# KiCad board st251n_20603.kicad_pcb
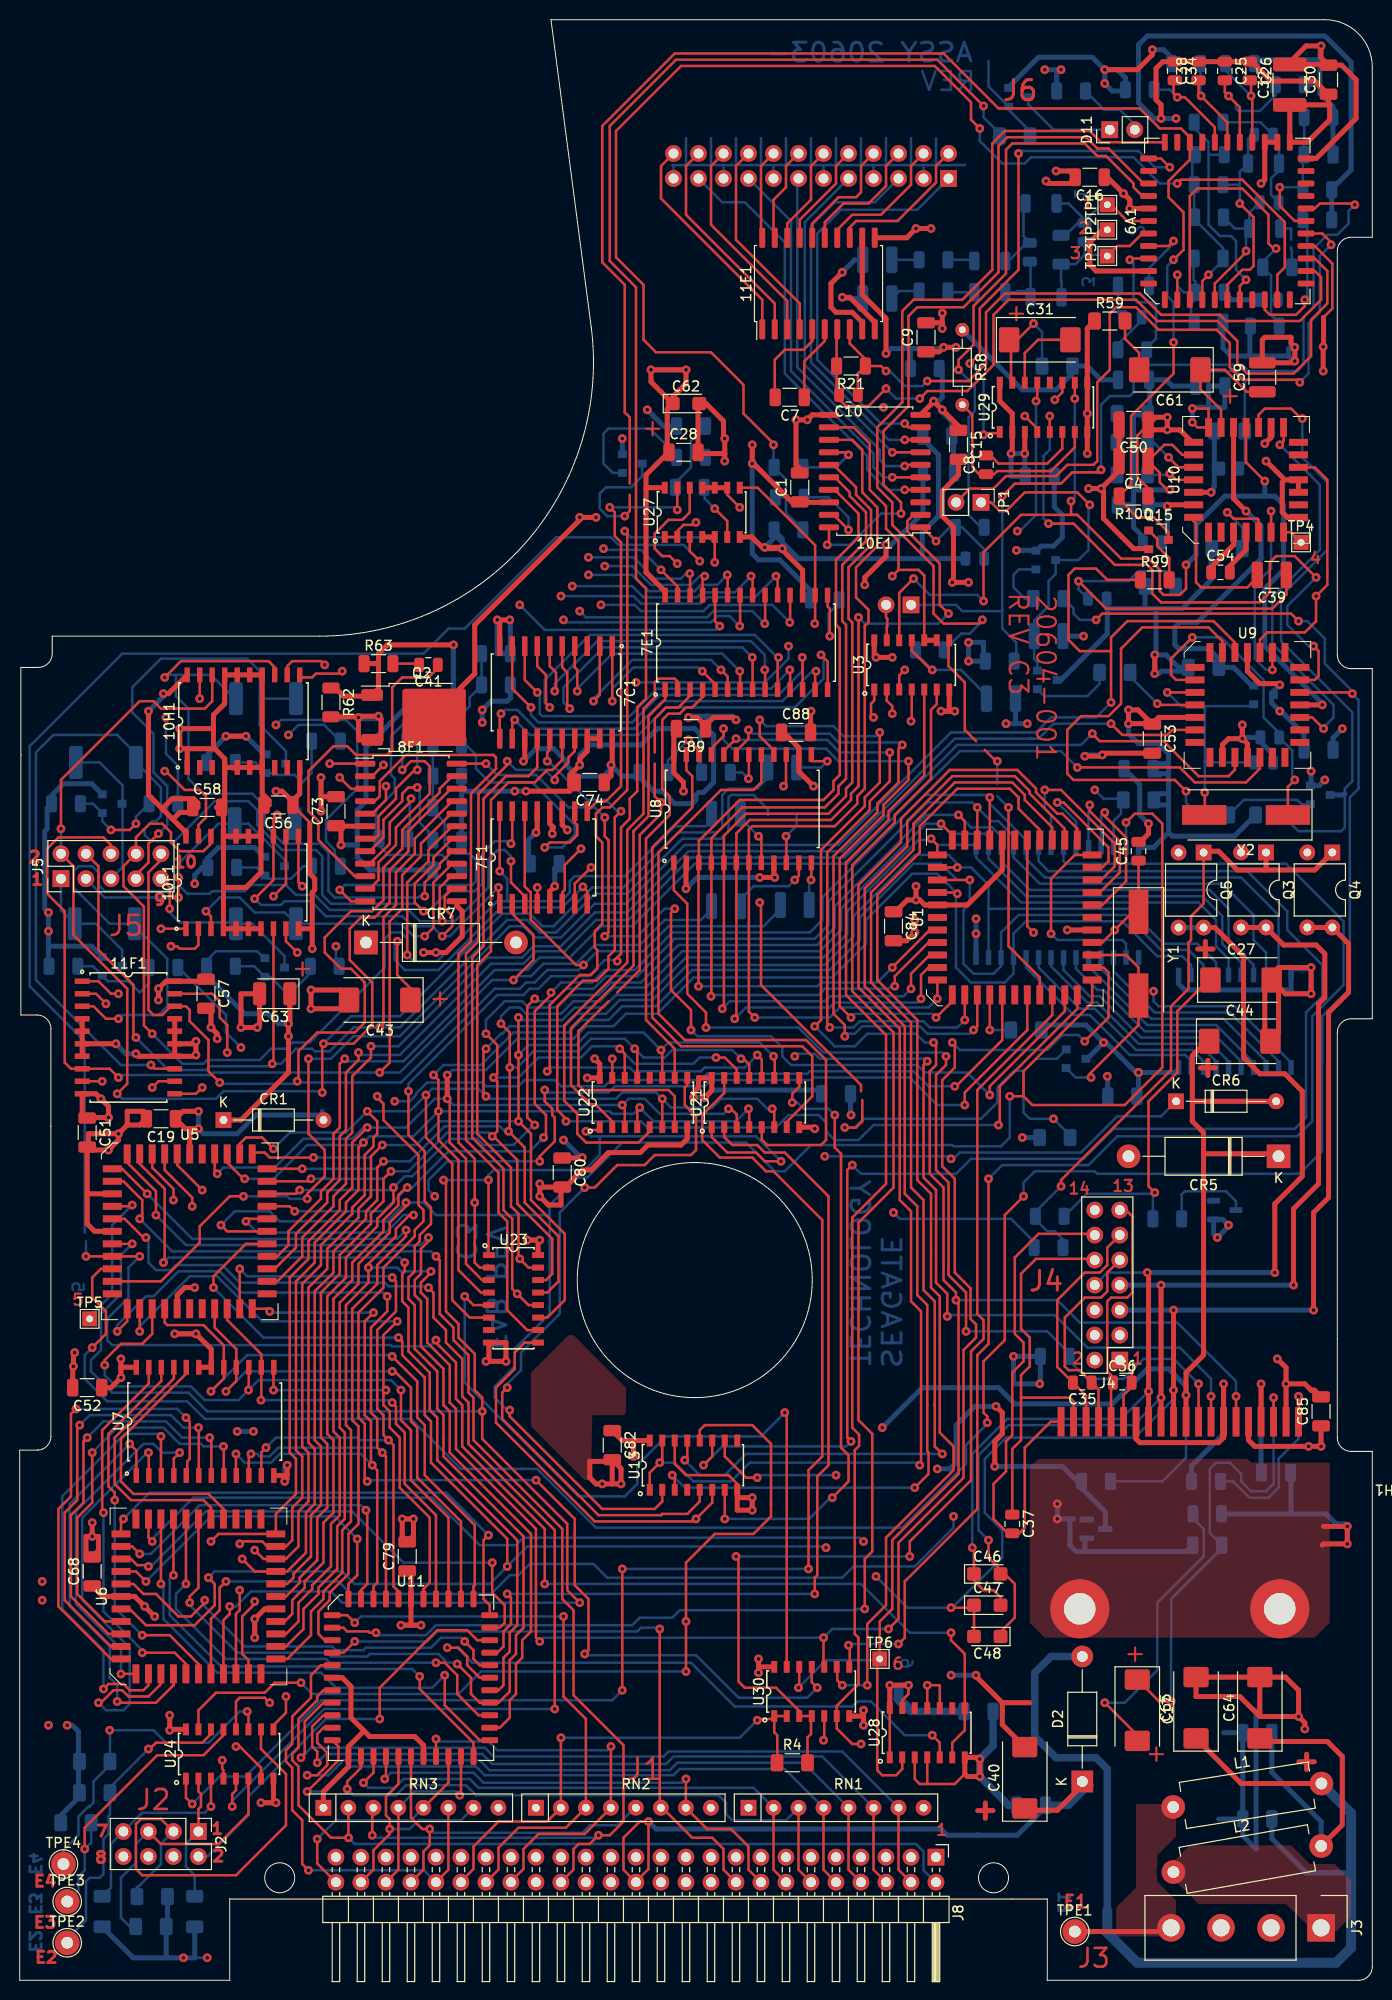
[diagram p0: board, top side]
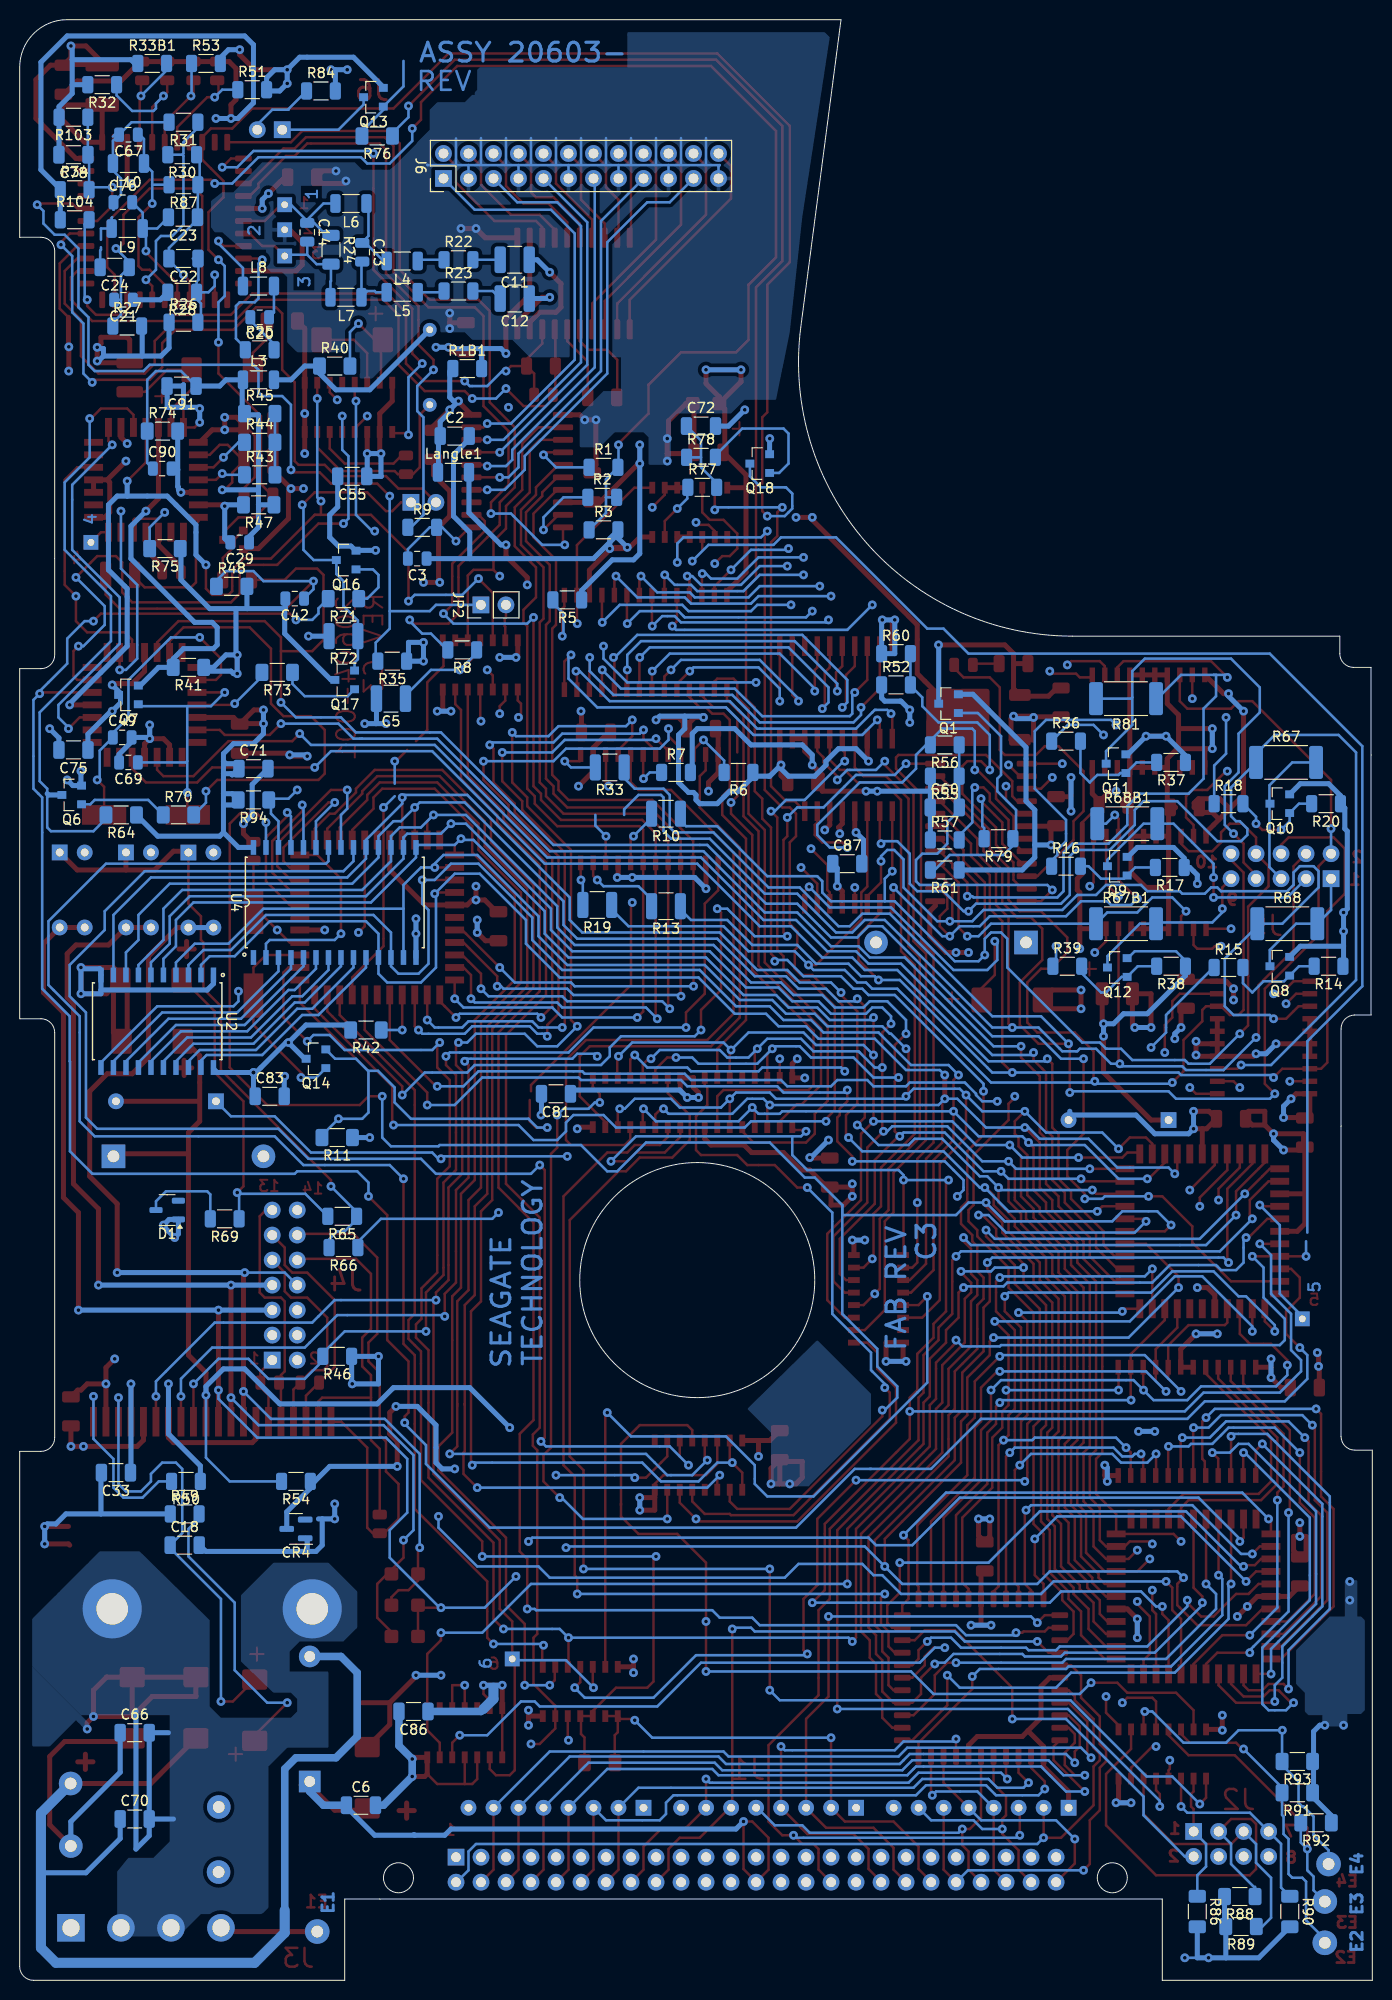
[diagram p1: board, bottom side, seen from below]

Outline 137.41 x 199.14 mm; copper layers: Top, In1.Cu, In2.Cu, Bottom. Coordinates in mm from the lower left corner of the outline.
Outline path: circle c26.42,10.41 r1.52 ; circle c68.58,71.12 r11.94 ; circle c98.93,10.41 r1.52 ; 0,53.85 0,0 21.34,0 21.34,8.26 104.39,8.26 104.39,0 136.02,0 arc(137,0.41) 137.41,1.4 137.41,53.72 135.25,53.72 arc(134.27,54.13) 133.86,55.12 133.86,96.27 arc(134.27,97.25) 135.25,97.66 137.41,97.66 137.41,133.22 135.25,133.22 arc(134.27,133.63) 133.86,134.62 133.86,175.64 arc(134.27,176.63) 135.25,177.04 137.41,177.04 137.41,194.31 arc(136,197.72) 132.59,199.14 53.97,199.14 58.06,167.9 arc(51.37,145.97) 30.48,136.53 3.3,136.53 3.3,134.75 arc(2.89,133.76) 1.91,133.35 0.13,133.35 0.13,98.04 1.78,98.04 arc(2.77,97.63) 3.18,96.65 3.18,55.25 arc(2.77,54.26) 1.78,53.85 0,53.85
Stack: Top 0.035mm / dielectric 0.1mm FR4 er 4.5 / In1.Cu 0.035mm / dielectric 1.24mm FR4 er 4.5 / In2.Cu 0.035mm / dielectric 0.1mm FR4 er 4.5 / Bottom 0.035mm

## Placement (name value [footprint] x y rotation side)
4H1  11738-502  [MOT_DRIVE_SMT]  117.86 56.73 180 top
6A1  SSI296 10206-501  [PLCC-44_16.6x16.6mm_P1.27mm]  122.68 178.69 90 top
7C1  10210-501  [SOP127P1065X265-20]  54.48 130.81 270 top
7E1  11743-501  [SOP127P1070X255-28]  73.79 135.89 90 top
7F1  10223-502  [SOP127P1065X265-16]  53.21 114.05 90 top
8F1  11744-502  [SOIC-24W_7.5x15.4mm_P1.27mm]  39.75 116.59 0 top
10E1  10188-501  [SOIC-20W_7.5x12.8mm_P1.27mm]  86.87 153.29 180 top
10F1  11721-501  [SOP127P1065X265-20_SHRINK]  22.61 111.51 90 top
10H1  11721-501  [SOP127P1065X265-20_SHRINK]  22.73 127.89 90 top
11E1  10189-502  [SOIC-20W_7.5x12.8mm_P1.27mm]  81.15 172.34 90 top
11F1  11721-501  [SOP127P1065X265-20_SHRINK]  11.05 95.76 0 top
C1  0.1uF  [C_1206_3216Metric]  79.25 151.64 90 top
C2  0.1uF  [C_1206_3216Metric]  93.22 156.85 180 bottom
C3  0.01uF  [C_0805_2012Metric]  97.03 144.4 0 bottom
C4  1uF 35V  [C_1210_3225Metric]  113.16 154.31 180 top
C5  0.068uF  [C_1210_3225Metric]  99.69 130.18 0 bottom
C6  0.1uF  [C_1206_3216Metric]  102.74 17.78 180 bottom
C7  0.033uF  [C_1206_3216Metric]  78.23 160.78 180 top
C8  ?  [C_0805_2012Metric]  98.17 153.92 90 top
C9  0.1uF  [C_1206_3216Metric]  92.08 166.88 90 top
C10  22pF  [C_0805_2012Metric]  84.2 161.04 180 top
C11  0.1uF  [C_1210_3225Metric]  87.12 174.75 0 bottom
C12  0.1uF  [C_1210_3225Metric]  87.12 170.81 0 bottom
C13  120pF  [C_0805_2012Metric]  102.62 175.51 270 bottom
C14  330pF  [C_0805_2012Metric]  108.2 177.55 270 bottom
C15  0.1uF  [C_1206_3216Metric]  95.38 155.96 270 top
C16  0.1uF  [C_1206_3216Metric]  108.71 183.13 180 top
C17  1uF 35V  [CP_EIA-7343-31_Kemet-D]  113.54 27.43 270 top
C18  39nF  [C_1206_3216Metric]  120.65 44.2 180 bottom
C19  0.1uF  [C_1206_3216Metric]  14.35 87.5 180 top
C20  220pF  [C_0805_2012Metric]  113.03 168.91 0 bottom
C21  100pF  [C_0805_2012Metric]  126.87 170.69 0 bottom
C22  0.1uF  [C_1206_3216Metric]  120.78 174.88 0 bottom
C23  39pF  [C_1206_3216Metric]  120.83 179.07 0 bottom
C24  0.1uF  [C_1206_3216Metric]  127.76 173.99 0 bottom
C25  47pF  [C_0805_2012Metric]  122.43 193.93 270 top
C26  47pF  [C_0805_2012Metric]  124.97 193.93 270 top
C27  22uF 20V  [CP_EIA-7343-31_Kemet-D]  124.08 101.6 0 top
C28  0.1uF  [C_1206_3216Metric]  67.44 155.19 0 top
C29  ?  [C_0805_2012Metric]  115.06 146.05 0 bottom
C30  0.1uF  [C_1206_3216Metric]  132.97 193.04 90 top
C31  1uF 35V  [CP_EIA-7343-31_Kemet-D]  103.63 166.62 0 top
C32  0.47uF  [C_1812_4532Metric]  129.03 192.53 90 top
C33  0.1uF  [C_1206_3216Metric]  127.63 51.56 0 bottom
C34  47pF  [C_0805_2012Metric]  117.35 193.93 270 top
C35  0.01uF  [C_0805_2012Metric]  107.95 60.71 180 top
C36  0.01uF  [C_0805_2012Metric]  112.01 60.71 0 top
C37  0.01uF  [C_0805_2012Metric]  100.84 46.36 270 top
C38  47pF  [C_0805_2012Metric]  119.76 193.93 90 top
C39  ?  [C_1210_3225Metric]  127.21 142.75 180 top
C40  22uF 20V  [CP_EIA-7343-31_Kemet-D]  102.11 20.57 90 top
C41  100pF  [C_0805_2012Metric]  41.53 133.6 180 top
C42  ?  [C_0805_2012Metric]  109.47 140.34 0 bottom
C43  10uF 25V  [CP_EIA-7343-31_Kemet-D]  36.58 99.57 180 top
C44  22uF 20V  [CP_EIA-7343-31_Kemet-D]  123.95 95.38 0 top
C45  27pF  [C_0805_2012Metric]  113.66 114.68 90 top
C46  0.1uF  [CP_EIA-3216-10_Kemet-I]  98.3 41.28 0 top
C47  0.1uF  [CP_EIA-3216-10_Kemet-I]  98.3 38.1 0 top
C48  0.1uF  [CP_EIA-3216-10_Kemet-I]  98.3 34.93 180 top
C49  ?  [C_0805_2012Metric]  127 126.24 180 bottom
C50  0.1uF  [C_1210_3225Metric]  113.16 157.99 180 top
C51  0.1uF  [C_1206_3216Metric]  6.86 86.11 270 top
C52  0.1uF  [C_1206_3216Metric]  6.86 60.2 180 top
C53  0.1uF  [C_1206_3216Metric]  115.06 126.11 270 top
C54  ?  [C_0805_2012Metric]  121.99 143 0 top
C55  0.1uF  [C_1206_3216Metric]  103.63 152.76 0 bottom
C56  0.1uF  [C_1206_3216Metric]  26.29 119.38 180 top
C57  0.1uF  [C_1206_3216Metric]  18.92 100.2 270 top
C58  0.1uF  [C_1206_3216Metric]  19.05 119.13 0 top
C59  ?  [C_1210_3225Metric]  126.24 162.81 90 top
C60  0.1uF  [C_1206_3216Metric]  43.43 119.13 180 bottom
C61  1.5uF 35V  [CP_EIA-7343-31_Kemet-D]  116.84 163.58 180 top
C62  1uF 35V  [CP_EIA-3216-10_Kemet-I]  67.69 160.15 0 top
C63  1uF 35V  [CP_EIA-3528-12_Kemet-T]  25.91 100.2 180 top
C64  22uF 20V  [CP_EIA-7343-31_Kemet-D]  125.98 27.69 90 top
C65  22uF 20V  [CP_EIA-7343-31_Kemet-D]  119.51 27.69 90 top
C66  0.1uF  [C_1206_3216Metric]  125.73 25.15 180 bottom
C67  39pF  [C_0805_2012Metric]  126.37 187.45 0 bottom
C68  0.1uF  [C_1206_3216Metric]  7.37 41.53 90 top
C69  ?  [C_0805_2012Metric]  126.37 123.7 0 bottom
C70  0.1uF  [C_1206_3216Metric]  125.73 16.38 180 bottom
C71  0.1uF  [C_1206_3216Metric]  113.66 123.06 180 bottom
C72  ?  [C_1206_3216Metric]  68.2 157.86 180 bottom
C73  0.1uF  [C_1206_3216Metric]  32.13 118.75 90 top
C74  0.1uF  [C_1206_3216Metric]  57.91 121.67 180 top
C75  0.1uF  [C_1206_3216Metric]  131.95 124.97 0 bottom
C76  DNI  [C_0805_2012Metric]  126.93 180.59 180 bottom
C78  0.1uF  [C_1206_3216Metric]  131.95 185.42 0 bottom
C79  0.1uF  [C_1206_3216Metric]  39.37 43.05 90 top
C80  0.1uF  [C_1206_3216Metric]  55.12 82.04 270 top
C81  0.1uF  [C_1206_3216Metric]  82.93 90.04 0 bottom
C82  0.1uF  [C_1206_3216Metric]  60.2 54.36 270 top
C83  0.1uF  [C_1206_3216Metric]  112.01 89.79 180 bottom
C84  0.1uF  [C_1206_3216Metric]  88.77 107.06 270 top
C85  0.1uF  [C_1206_3216Metric]  132.21 57.79 90 top
C86  0.1uF  [C_1206_3216Metric]  97.41 27.31 0 bottom
C87  0.1uF  [C_1206_3216Metric]  53.34 113.41 180 bottom
C88  0.1uF  [C_1206_3216Metric]  78.87 126.75 0 top
C89  0.1uF  [C_1206_3216Metric]  68.2 127.13 180 top
C90  ?  [C_0805_2012Metric]  122.94 153.54 180 bottom
C91  ?  [C_1206_3216Metric]  120.97 161.93 0 bottom
CR1  ?  [D_DO-35_SOD27_P10.16mm_Horizontal]  20.7 87.38 0 top
CR4  BZX84C5V1  [SOT-23]  109.35 45.85 0 bottom
CR5  BL9  [D_DO-15_P15.24mm_Horizontal]  127.89 83.69 180 top
CR6  ?  [D_DO-35_SOD27_P10.16mm_Horizontal]  117.47 89.28 0 top
CR7  P6KE13  [D_DO-15_P15.24mm_Horizontal]  35.18 105.41 0 top
D1  DNI  [SOT-23-3]  122.43 78.23 0 bottom
D2  ?  [D_DO-41_SOD81_P12.70mm_Horizontal]  107.95 20.19 90 top
D11  RED  [PinHeader_1x02_P2.54mm_Vertical]  110.74 187.96 90 top
J2  ID  [PinHeader_2x04_P2.54mm_Vertical]  18.15 15.12 270 top
J3  POWER  [Samtec_HPM-04-01-x-S_Straight_1x04_Pitch5.08mm]  132.21 5.33 270 top
J4  SPINDLE  [PinHeader_2x07_P2.54mm_Vertical]  111.76 62.99 180 top
J5  STEPPER  [PinHeader_2x05_P2.54mm_Vertical]  4.19 111.89 90 top
J6  HEADS  [PinHeader_2x12_P2.54mm_Vertical]  94.36 183.01 90 bottom
J8  SCSI  [PinHeader_2x25_P2.54mm_Horizontal]  93.09 12.51 270 top
JP1  Jumper_2_Bridged  [PinHeader_1x02_P2.54mm_Vertical]  97.67 150.11 270 top
JP2  Jumper_2_Bridged  [PinHeader_1x02_P2.54mm_Vertical]  90.56 139.7 90 bottom
L1  22uH  [L_Axial_L13.0mm_D4.5mm_P15.24mm_Horizontal_Fastron_HCCC]  117.19 17.6 9 top
L2  22uH  [L_Axial_L13.0mm_D4.5mm_P15.24mm_Horizontal_Fastron_HCCC]  117.21 11 10 top
L3  10uH  [L_1206_3216Metric]  113.16 162.56 180 bottom
L4  1.5uH  [L_1206_3216Metric]  98.55 174.62 0 bottom
L5  1.5uH  [L_1206_3216Metric]  98.55 171.45 0 bottom
L6  4.7uH  [L_1206_3216Metric]  103.76 180.47 0 bottom
L7  4.7uH  [L_1206_3216Metric]  104.27 170.94 0 bottom
L8  3.9uH  [L_1206_3216Metric]  113.16 172.09 180 bottom
L9  33uH  [L_1206_3216Metric]  126.49 177.93 0 bottom
L10  22uH  [L_1206_3216Metric]  126.37 184.53 0 bottom
Langle1  10uH  [L_1206_3216Metric]  93.34 153.16 180 bottom
Q1  ?  [SOT95P230X117-3]  43.05 129.67 0 bottom
Q2  2SD1760  [TO-252-2]  40.84 128.27 0 top
Q3  IRFD110  [DIP-4_W7.62mm]  126.62 114.55 270 top
Q4  IRFD110  [DIP-4_W7.62mm]  133.35 114.55 270 top
Q5  IRFD110  [DIP-4_W7.62mm]  120.27 114.54 270 top
Q6  BC846  [SOT95P230X117-3]  132.13 120.4 0 bottom
Q7  BC846  [SOT95P230X117-3]  126.37 130.56 0 bottom
Q8  ?  [SOT95P230X117-3]  9.4 103 0 bottom
Q9  ?  [SOT95P230X117-3]  25.91 113.16 0 bottom
Q10  ?  [SOT95P230X117-3]  9.4 119.51 0 bottom
Q11  ?  [SOT95P230X117-3]  26.04 123.57 0 bottom
Q12  ?  [SOT95P230X117-3]  25.91 102.87 0 bottom
Q13  BC846A  [SOT95P230X117-3]  101.47 191.26 0 bottom
Q14  "1A"  [SOT95P230X117-3]  107.31 93.6 0 bottom
Q15  BC846  [SOT95P230X117-3]  115.7 146.3 0 top
Q16  BC846  [SOT95P230X117-3]  104.25 144.25 0 bottom
Q17  2N3906  [SOT95P230X117-3]  104.39 132.08 0 bottom
Q18  BC846  [SOT95P230X117-3]  62.23 154.05 0 bottom
R1  1.1K  [R_1206_3216Metric]  78.11 153.67 180 bottom
R1B1  10  [R_1206_3216Metric]  91.95 163.7 180 bottom
R2  2.21K  [R_1206_3216Metric]  78.23 150.62 180 bottom
R3  59.0  [R_1206_3216Metric]  78.11 147.32 180 bottom
R4  10K  [R_1206_3216Metric_Pad1.30x1.75mm_HandSolder]  78.49 22.1 0 top
R5  2K  [R_1206_3216Metric]  81.79 140.21 0 bottom
R6  10K  [R_1206_3216Metric]  64.39 122.68 0 bottom
R7  10K  [R_1206_3216Metric]  70.74 122.68 180 bottom
R8  59.0 1%  [R_1206_3216Metric]  92.46 135.13 0 bottom
R9  5.1  [R_1206_3216Metric]  96.52 147.57 180 bottom
R10  10  [R_1210_3225Metric]  71.75 118.49 0 bottom
R11  162  [R_1206_3216Metric_Pad1.30x1.75mm_HandSolder]  105.16 85.6 0 bottom
R13  10  [R_1210_3225Metric]  71.75 109.09 0 bottom
R14  1K  [R_1206_3216Metric]  4.45 103 0 bottom
R15  1K  [R_1206_3216Metric]  14.61 102.87 180 bottom
R16  1K  [R_1206_3216Metric]  31.12 113.16 180 bottom
R17  1K  [R_1206_3216Metric]  20.57 113.03 0 bottom
R18  1K  [R_1206_3216Metric]  14.61 119.51 180 bottom
R19  10  [R_1210_3225Metric]  78.74 109.22 0 bottom
R20  1K  [R_1206_3216Metric]  4.7 119.51 0 bottom
R21  499 1%  [R_1206_3216Metric]  84.45 163.96 180 top
R22  88.7  [R_1206_3216Metric]  92.84 174.75 180 bottom
R23  88.7  [R_1206_3216Metric]  92.84 171.58 180 bottom
R24  1.33K  [R_1206_3216Metric]  105.79 175.77 270 bottom
R25  100 1%  [R_1206_3216Metric]  113.03 165.61 180 bottom
R26  499 1%  [R_1206_3216Metric]  120.78 168.4 180 bottom
R27  499 1%  [R_1206_3216Metric]  126.49 168.02 180 bottom
R28  10  [R_1206_3216Metric]  120.9 171.45 0 bottom
R30  2.61K  [R_1206_3216Metric]  120.9 185.42 0 bottom
R31  1.00K  [R_1206_3216Metric]  120.78 188.72 0 bottom
R32  10.0K 1%  [R_1206_3216Metric]  129.03 192.53 0 bottom
R33  10  [R_1210_3225Metric]  77.47 123.19 0 bottom
R33B1  10.0K  [R_1206_3216Metric]  123.95 194.69 180 bottom
R34  1K  [R_1206_3216Metric]  131.83 181.86 180 bottom
R35  3.01K  [R_1206_3216Metric]  99.57 133.99 0 bottom
R36  1K  [R_1206_3216Metric]  31.12 125.86 180 bottom
R37  1K  [R_1206_3216Metric]  20.45 123.7 0 bottom
R38  1K  [R_1206_3216Metric]  20.45 103 0 bottom
R39  1K  [R_1206_3216Metric]  30.99 103 180 bottom
R40  100K  [R_1206_3216Metric_Pad1.30x1.75mm_HandSolder]  105.41 163.96 180 bottom
R41  ?  [R_1206_3216Metric_Pad1.30x1.75mm_HandSolder]  120.27 133.35 0 bottom
R42  4.75K  [R_1206_3216Metric_Pad1.30x1.75mm_HandSolder]  102.24 96.52 0 bottom
R43  ?  [R_1206_3216Metric_Pad1.30x1.75mm_HandSolder]  113.03 152.91 180 bottom
R44  ?  [R_1206_3216Metric_Pad1.30x1.75mm_HandSolder]  113.03 156.21 180 bottom
R45  ?  [R_1206_3216Metric_Pad1.30x1.75mm_HandSolder]  113.03 159.13 180 bottom
R46  10K  [R_1206_3216Metric]  105.16 63.37 0 bottom
R47  ?  [R_1206_3216Metric_Pad1.30x1.75mm_HandSolder]  113.13 149.86 0 bottom
R48  ?  [R_1206_3216Metric_Pad1.30x1.75mm_HandSolder]  115.88 141.58 180 bottom
R49  825K  [R_1206_3216Metric]  120.65 47.37 180 bottom
R50  14.7K 1%  [R_1206_3216Metric]  120.52 50.67 0 bottom
R51  14.0K  [R_1206_3216Metric]  113.79 192.02 180 bottom
R52  10K  [R_1206_3216Metric]  48.39 131.57 180 bottom
R53  10K  [R_1206_3216Metric]  118.49 194.69 180 bottom
R54  1K  [R_1206_3216Metric]  109.35 50.67 0 bottom
R55  10K 1%  [R_1206_3216Metric]  43.43 122.3 0 bottom
R56  100K  [R_1206_3216Metric]  43.43 125.48 0 bottom
R57  1.62K  [R_1206_3216Metric]  43.43 115.82 180 bottom
R58  ?  [R_Axial_DIN0204_L3.6mm_D1.6mm_P7.62mm_Horizontal]  95.76 167.64 270 top
R59  ?  [R_1206_3216Metric_Pad1.30x1.75mm_HandSolder]  110.74 168.53 0 top
R60  20K  [R_1206_3216Metric]  48.39 134.75 180 bottom
R61  1.0K 1%  [R_1206_3216Metric]  43.43 112.78 0 bottom
R62  1K  [R_1206_3216Metric]  31.62 129.79 270 top
R63  1K  [R_1206_3216Metric]  36.45 133.73 0 top
R64  6.2K  [R_1206_3216Metric_Pad1.30x1.75mm_HandSolder]  127.1 118.36 0 bottom
R65  825K  [R_1206_3216Metric]  104.65 77.6 0 bottom
R66  10K  [R_1206_3216Metric]  104.52 74.42 0 bottom
R67  5.1  [R_2512_6332Metric_Pad1.40x3.35mm_HandSolder]  8.76 123.7 180 bottom
R67B1  5.1  [R_2512_6332Metric_Pad1.40x3.35mm_HandSolder]  25.02 107.32 180 bottom
R68  5.1  [R_2512_6332Metric_Pad1.40x3.35mm_HandSolder]  8.64 107.32 180 bottom
R68B1  5.1  [R_2512_6332Metric_Pad1.40x3.35mm_HandSolder]  24.89 117.48 180 bottom
R69  499  [R_1206_3216Metric]  116.59 77.34 0 bottom
R70  ?  [R_1206_3216Metric_Pad1.30x1.75mm_HandSolder]  121.28 118.36 180 bottom
R71  ?  [R_1206_3216Metric_Pad1.30x1.75mm_HandSolder]  104.52 140.34 0 bottom
R72  ?  [R_1210_3225Metric]  104.52 136.53 0 bottom
R73  ?  [R_1206_3216Metric_Pad1.30x1.75mm_HandSolder]  111.25 132.84 0 bottom
R74  ?  [R_1206_3216Metric_Pad1.30x1.75mm_HandSolder]  122.91 157.35 180 bottom
R75  1.0K  [R_1206_3216Metric_Pad1.30x1.75mm_HandSolder]  122.66 145.42 0 bottom
R76  1K  [R_1206_3216Metric_Pad1.30x1.75mm_HandSolder]  101.09 187.33 0 bottom
R77  ?  [R_1206_3216Metric]  68.07 151.64 180 bottom
R78  825  [R_1206_3216Metric]  68.2 154.69 180 bottom
R79  3.01K  [R_1206_3216Metric]  37.97 115.95 0 bottom
R81  5.1  [R_2512_6332Metric_Pad1.40x3.35mm_HandSolder]  25.02 130.18 0 bottom
R84  162  [R_1206_3216Metric]  106.81 191.9 180 bottom
R86  10K  [R_1206_3216Metric_Pad1.30x1.75mm_HandSolder]  17.78 6.99 270 bottom
R87  5.62K 1%  [R_1206_3216Metric]  120.78 182.37 0 bottom
R88  10K  [R_1206_3216Metric_Pad1.30x1.75mm_HandSolder]  13.46 8.51 0 bottom
R89  10K  [R_1206_3216Metric_Pad1.30x1.75mm_HandSolder]  13.34 5.46 0 bottom
R90  10K  [R_1206_3216Metric_Pad1.30x1.75mm_HandSolder]  8.38 6.99 270 bottom
R91  1K  [R_1206_3216Metric_Pad1.30x1.75mm_HandSolder]  7.62 19.05 0 bottom
R92  1K  [R_1206_3216Metric_Pad1.30x1.75mm_HandSolder]  5.72 16 0 bottom
R93  1K  [R_1206_3216Metric_Pad1.30x1.75mm_HandSolder]  7.62 22.23 0 bottom
R94  10K  [R_1206_3216Metric_Pad1.30x1.75mm_HandSolder]  113.66 119.89 0 bottom
R99  3.85K  [R_1206_3216Metric]  115.32 142.24 0 top
R100  1K  [R_1206_3216Metric]  113.16 150.75 180 top
R103  1K  [R_1206_3216Metric]  131.95 189.23 0 bottom
R104  10K  [R_1206_3216Metric]  131.83 178.82 180 bottom
RN1  TERM  [R_Array_SIP8]  74.04 17.53 0 top
RN2  TERM  [R_Array_SIP8]  52.44 17.53 0 top
RN3  TERM  [R_Array_SIP8]  30.85 17.53 0 top
TP1  1/2 STEP  [TestPoint_THTPad_1.5x1.5mm_Drill0.7mm]  110.49 180.34 90 top
TP2  1/2 STEP  [TestPoint_THTPad_1.5x1.5mm_Drill0.7mm]  110.49 177.8 90 top
TP3  1/2 STEP  [TestPoint_THTPad_1.5x1.5mm_Drill0.7mm]  110.49 175.13 90 top
TP4  1/2 STEP  [TestPoint_THTPad_1.5x1.5mm_Drill0.7mm]  130.18 146.05 0 top
TP5  1/2 STEP  [TestPoint_THTPad_1.5x1.5mm_Drill0.7mm]  7.11 67.18 0 top
TP6  1/2 STEP  [TestPoint_THTPad_1.5x1.5mm_Drill0.7mm]  87.38 32.64 0 top
TPE1  1/2 STEP  [TestPoint_THTPad_D2.5mm_Drill1.2mm]  107.19 4.95 0 top
TPE2  1/2 STEP  [TestPoint_THTPad_D2.5mm_Drill1.2mm]  4.83 3.81 0 top
TPE3  1/2 STEP  [TestPoint_THTPad_D2.5mm_Drill1.2mm]  4.83 8 0 top
TPE4  1/2 STEP  [TestPoint_THTPad_D2.5mm_Drill1.2mm]  4.45 11.81 0 top
U1  8051  [PLCC-44]  101.09 107.95 90 top
U2  74LS573  [SOP127P1065X265-20_SHRINK]  123.44 97.41 270 bottom
U3  74LS14  [SOP127P620X175-14_SHRINK]  90.62 133.6 90 top
U4  CDM6264  [SOP127P1270X305-28_SHRINK]  105.41 109.47 90 bottom
U5  AIC-010L  [PLCC-44]  17.27 76.07 0 top
U6  ~  [PLCC-44]  18.16 38.99 90 top
U7  SRAM_6116  [SOP127P1250X255-24]  18.8 56.77 90 top
U8  11747-501  [SOP127P1250X255-24]  73.41 119 90 top
U9  AIC-270L  [PLCC-28]  124.73 129.54 0 top
U10  DP8462  [PLCC-28]  124.59 152.4 90 top
U11  11734-501  [PLCC-44_16.6x16.6mm_P1.27mm]  39.75 30.73 0 top
U13  74LS155  [SOP127P620X175-16_SHRINK]  68.45 52.32 90 top
U21  74LS174  [SOP127P620X175-16_SHRINK]  74.75 89.15 90 top
U22  74LS174  [SOP127P620X175-16_SHRINK]  63.37 89.15 90 top
U23  74LS174  [SOP127P620X175-16_SHRINK]  50.17 69.22 0 top
U24  74LS257  [SOP127P620X175-16_SHRINK]  21.34 22.99 90 top
U27  74LS00  [SOP127P620X175-14_SHRINK]  69.34 149.1 90 top
U28  74LS196  [SOP127P620X175-14_SHRINK]  92.2 25.15 90 top
U29  74LS123  [SOP127P620X175-16_SHRINK]  104.01 159.77 90 top
U30  74F08  [SOP127P620X175-14_SHRINK]  80.46 29.34 90 top
Y1  10MHz  [Crystal_SMD_HC49-SD]  113.66 104.27 270 top
Y2  15MHz  [Crystal_SMD_HC49-SD]  124.59 118.36 180 top
